# KiCad board GIMIX Mainboard.kicad_pcb (continued)
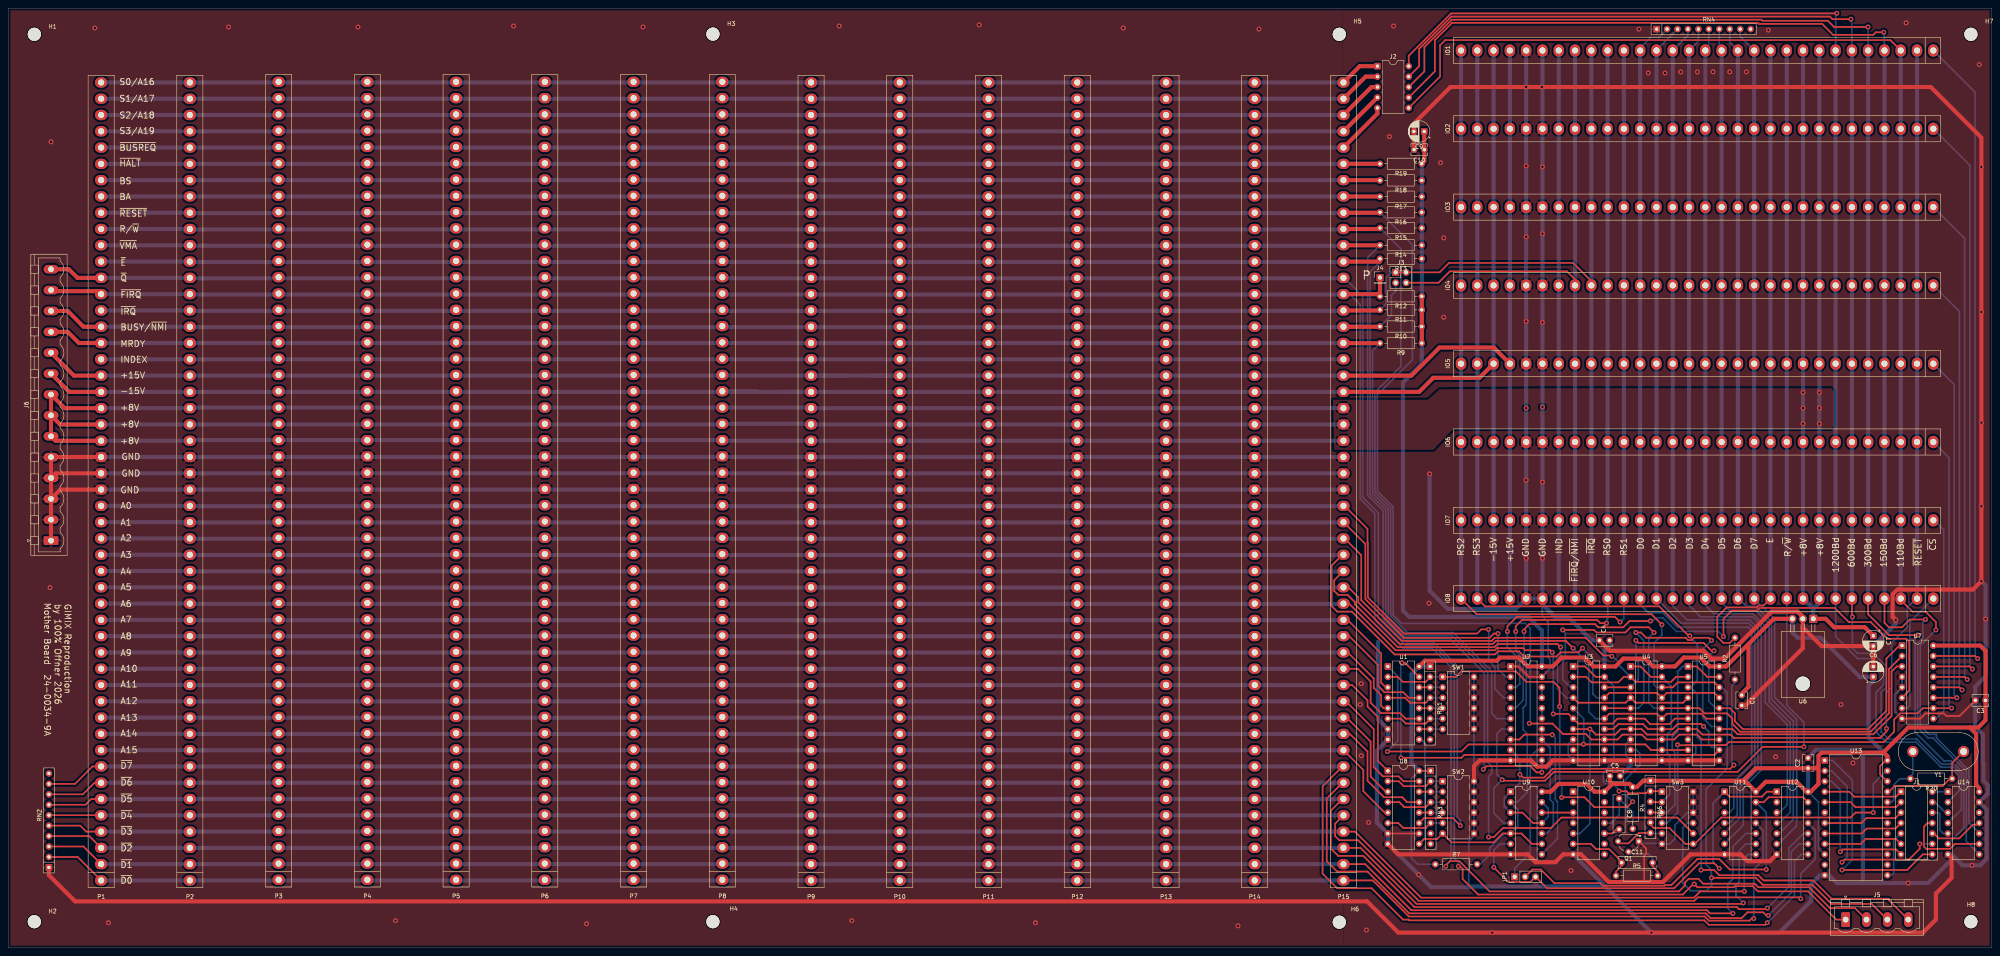
[diagram p0: board, top side]
## Nets (continued)
/IOE: IO1.11 IO2.11 IO3.11 IO4.11 IO5.11 IO6.11 IO7.11 IO8.11 R2.2
/IOR/~{W}: IO1.10 IO2.10 IO3.10 IO4.10 IO5.10 IO6.10 IO7.10 IO8.10 U2.7 U9.4
/IOSEL0: IO1.1 U7.15
/IOSEL1: IO2.1 U7.14
/IOSEL2: IO3.1 U7.13
/IOSEL3: IO4.1 U7.12
/IOSEL4: IO5.1 U7.11
/IOSEL5: IO6.1 SW3.4 U7.10
/IOSEL6: IO7.1 U7.9
/IOSEL7: IO8.1 U7.7
/notIOR/~{W}: JP1.3 U9.6 U11.1 U12.1
/RN6-7: Q1.3 RN6.6 SW3.5
/RS0: IO1.21 IO2.21 IO3.21 IO4.21 IO5.21 IO6.21 IO7.21 IO8.21 U2.5
/RS1: IO1.20 IO2.20 IO3.20 IO4.20 IO5.20 IO6.20 IO7.20 IO8.20 U2.3
/RS2: IO1.30 IO2.30 IO3.30 IO4.30 IO5.30 IO6.30 IO7.30 IO8.30 J5.3 SW3.9 U4.18 U5.18
/RS3: IO1.29 IO2.29 IO3.29 IO4.29 IO5.29 IO6.29 IO7.29 IO8.29 J5.4 U5.3
/RWint: U2.13 U2.14 U9.10
/SW3-1: RN6.2 SW3.1 U3.1 U3.19
/SW3-2: RN6.3 SW3.2 U4.1 U4.19
/SW3-3: RN6.4 SW3.3 U5.1 U5.19
/SW3-4: RN6.5 SW3.7 U13.23
/SW_A5: RN1.2 SW1.1 U1.2 U4.9
/SW_A6: RN1.3 SW1.2 U1.14
/SW_A7: RN1.4 SW1.3 U1.4
/SW_A8: RN1.5 SW1.4 U1.12
/SW_A9: RN1.6 SW1.5 U1.6
/SW_A10: RN1.7 SW1.6 U1.10
/SW_A11: RN3.2 SW2.1 U8.2
/SW_A12: RN3.3 SW2.2 U8.14
/SW_A13: RN3.4 SW2.3 U8.4
/SW_A14: RN3.5 SW2.4 U8.12
/SW_A15: RN3.6 SW2.5 U8.6
/U7_EN2: R7.2 SW2.6 U1.9 U7.6 U8.9 U9.2 U9.5 U9.9
/VMA: P1.40 P2.40 P3.40 P4.40 P5.40 P6.40 P7.40 P8.40 P9.40 P10.40 P11.40 P12.40 P13.40 P14.40 P15.40 R14.2 U8.11
/~{BS}: P1.44 P2.44 P3.44 P4.44 P5.44 P6.44 P7.44 P8.44 P9.44 P10.44 P11.44 P12.44 P13.44 P14.44 P15.44 R18.2
/~{BUSREQ}: J2.5 P1.46 P2.46 P3.46 P4.46 P5.46 P6.46 P7.46 P8.46 P9.46 P10.46 P11.46 P12.46 P13.46 P14.46 P15.46
/~{FIRQ}: J4.1 J5.2 J6.13 P1.37 P2.37 P3.37 P4.37 P5.37 P6.37 P7.37 P8.37 P9.37 P10.37 P11.37 P12.37 P13.37 P14.37 P15.37 R12.2
/~{HALT}: P1.45 P2.45 P3.45 P4.45 P5.45 P6.45 P7.45 P8.45 P9.45 P10.45 P11.45 P12.45 P13.45 P14.45 P15.45 R19.2
/~{IORES}: IO1.2 IO2.2 IO3.2 IO4.2 IO5.2 IO6.2 IO7.2 IO8.2 U3.7 U4.7 U5.7 U10.5
/~{IRQ}: IO1.22 IO2.22 IO3.22 IO4.22 IO5.22 IO6.22 IO7.22 IO8.22 J3.1 J3.2 P1.36 P2.36 P3.36 P4.36 P5.36 P6.36 P7.36 P8.36 P9.36 P10.36 P11.36 P12.36 P13.36 P14.36 P15.36 R11.2
/~{MRDY}: J6.11 P1.34 P2.34 P3.34 P4.34 P5.34 P6.34 P7.34 P8.34 P9.34 P10.34 P11.34 P12.34 P13.34 P14.34 P15.34 R9.2 SW3.8
/~{NMI}: J3.3 J6.12 P1.35 P2.35 P3.35 P4.35 P5.35 P6.35 P7.35 P8.35 P9.35 P10.35 P11.35 P12.35 P13.35 P14.35 P15.35 R10.2
/~{RES}: P1.42 P2.42 P3.42 P4.42 P5.42 P6.42 P7.42 P8.42 P9.42 P10.42 P11.42 P12.42 P13.42 P14.42 P15.42 R16.2 U3.13 U4.13 U5.13
Net-(IO1-Pin_24): IO1.24 IO2.24 IO3.24 IO4.24 IO5.24 IO6.24 IO7.24 IO8.24
Net-(J1-Pin_10): J1.10 U14.11
Net-(J1-Pin_11): J1.11 U14.9
Net-(J1-Pin_12): J1.12 U14.5
Net-(J1-Pin_13): J1.13 U14.3
Net-(J1-Pin_14): J1.14 U14.1
Net-(JP1-A): JP1.1 U2.12
Net-(Q1-B): C11.2 Q1.2 R5.2
Net-(U2-Pad8): U2.8 U9.8
Net-(U2-Pad15): U2.15 U2.16
Net-(U2-Pad17): U2.17 U2.18
Net-(U10-A1): U9.12 U10.3 U10.4
Net-(U10-Cext): C8.2 U10.10
Net-(U10-Q): C11.1 R5.1 U10.6
Net-(U10-R/Cext): C8.1 R4.2 U10.11
Net-(U13-XIN): R20.1 U13.21 Y1.1
Net-(U13-XOUT): R20.2 U13.20 Y1.2

Pads without a net: RN1 8; RN2 10; RN3 7 8; RN4 10; U3 9 12; U10 1 2 8 9 12 13; U11 2 12; U12 2 12; U13 6 11 14 15 16 17 18 19; U14 12

## Via types
v1: diameter 1.2, hole 0.6, Top to Bottom, 156 vias

## Routing (per net, layer and track width the routed paths; a pad name or vN(x,y) marks a point on that pad's centre or on a via; arc(x,y) is an arc through that point)
+5V: length 623.3
  Top w0.4: U13.24 456.82,45.59 455.42,44.2 455.42,42.16 457.07,40.51 U13.22 ; RN3.1 U8.16
  Top w1: R12.1 R9.1 ; 390.27,39.88 U10.14 385.95,37.97 384.05,39.88 377.19,39.88 375.29,37.97 U9.14 ; 390.27,39.88 389.68,40.47 C5.1 ; 390.27,39.88 394.46,39.88 R4.1 396.24,39.12 397.76,40.64 422.15,40.64 ; U13.24 457.2,46.61 456.31,47.5 ; U1.16 344.68,69.85 362.2,69.85 362.97,70.61 367.54,70.61 369.7,68.45 U2.20 375.79,68.45 377.95,70.61 383.54,70.61 385.7,68.45 U3.20 391.03,68.45 392.94,70.36 398.27,70.36 400.18,68.45 U4.20 405.51,68.45 407.67,70.61 411.73,70.61 413.89,68.45 U5.20 417.96,68.45 423.42,73.91 ; U14.14 479.55,38.86 478.79,39.62 478.79,52.07 477.27,53.59 ; U7.16 479.81,73.53 481.08,72.26 C3.1 481.08,55.37 479.3,53.59 477.27,53.59 ; 422.15,40.64 422.53,40.64 U11.14 427.61,40.39 435.1,40.39 437.51,37.97 U12.14 438.53,37.97 440.44,39.88 440.44,44.32 ; 422.15,40.64 425.2,43.69 C2.1 439.8,43.69 440.44,44.32 ; U6.3 429.55,80.04 423.42,73.91 ; 477.27,53.59 462.28,53.59 456.31,47.62 456.31,47.5 ; 456.31,47.5 441.2,47.5 440.44,46.74 440.44,44.32 ; C9.1 344.51,194.22 C10.1 344.55,191.39 R19.1 ; 423.42,73.91 423.42,63.5 421.77,61.85 C1.1
  Bottom w0.4: U8.16 341.38,41.15 341.38,21.84 342.9,20.32 R7.1 ; U12.14 440.44,35.43 440.44,24.13 441.83,22.73 U13.10
  Bottom w1: C4.1 389.64,73.53 388.37,72.26 U3.20 ; R12.1 R19.1 ; U13.24 457.2,46.61 452.63,51.18 452.63,63.75 453.77,64.9 C6.1 450.6,65.91 450.53,65.85 440.94,75.44 435.36,75.44 434.09,76.71 U6.3 ; U8.16 341.38,44.96 341.38,66.55 U1.16 346.07,68.45 ; U2.20 373.13,77.22 369.82,80.52 340.87,80.52 339.34,82.04 339.34,137.54 343.92,142.11 R9.1 ; U12.14 C2.1
+8V: length 1246
  Top w1: P1.28 11.51,123.37 J6.6 J6.8 13.74,131.29 P1.30 ; U6.1 442.18,80.04 444.25,77.98 451.7,77.98 C7.1 ; J6.7 12.62,127.33 P1.29
  Bottom w1: 439.17,82.47 440.64,83.95 IO8.8 v1(440.64,127.51) v1(440.64,131.32) v1(440.64,135.13) 440.64,218.31 ; 439.17,82.47 IO8.9 v1(436.68,127.51) v1(436.68,131.32) v1(436.68,135.13) IO1.9 ; 439.17,82.47 U6.1 ; 23.57,123.37 P2.28 44.35,123.52 P8.28 173.89,123.37 P9.28 P15.28 ; 23.27,131.29 P2.30 44.35,131.44 P8.30 194.89,131.44 195.05,131.29 P9.30 206.76,131.29 ; 23.42,127.33 P2.29 173.58,127.33 P8.29 195.17,127.48 P9.29 P15.29 ; P15.30 207.01,131.29
+15V: length 510
  Top w1: IO5.27 361.42,146.05 348.23,146.05 341.4,139.22 P15.32 ; P1.32 15.98,139.22 J6.10
  Bottom w1: P10.32 209.58,139.22 ; P9.32 203.94,139.22 ; IO1.27 IO8.27 ; 23.6,139.22 P2.32 P15.32
-15V: length 503.5
  Top w1: J6.9 14.86,135.25 22.61,135.25 ; 324.87,135.25 343.28,135.25 346.71,138.68 357.96,138.68 IO5.28
  Bottom w1: 324.87,135.25 23.75,135.25 ; P8.31 182.27,135.41 ; 195.33,135.25 188.21,135.25 ; IO8.28 IO1.28
GND: length 2901.4
  Top w0.4: C3.2 474.77,56.39 471.55,56.39 470.92,57.02 466.47,57.02 465.2,55.75 U7.8 ; Q1.1 398.53,24.13 398.53,22.86 398.02,22.35 398.02,16.51 ; U2.19 369.95,65.91 367.41,68.45 U2.1 ; 335.66,27.81 343.28,27.81
  Top w1: 436.63,77.98 436.63,72.9 422.7,58.97 C1.2 ; 436.63,77.98 441.2,73.41 C7.2 C6.2 ; 436.63,77.98 U6.2 436.63,80.52 435.36,81.79 429.01,81.79 417.58,70.36 414.4,70.36 412.5,72.26 389.68,72.26 C4.2 ; RN2.1 9.91,17.65 16.26,11.3 330.58,11.3 338.2,3.68 v1(361.06,3.68) v1(399.8,3.68) 465.84,3.68 469.01,6.86 469.01,13.21 472.82,17.02 472.82,21.84 U14.7 ; C10.2 342.01,194.22 C9.2 342.01,200.53 350.9,209.42 v1(369.32,209.42) v1(373.13,209.42) 467.74,209.42 480.06,197.1 v1(480.06,189.99) v1(480.06,154.69) v1(480.06,127.76) v1(480.06,107.44) v1(480.06,89.19) 478.03,87.16 459.64,87.16 458.48,86.01 458.48,80.51 v1(459.23,79.76) ; U12.7 428.62,21.08 423.16,21.08 421.51,22.73 U11.7 409.32,22.73 402.59,16 394.21,16 ; J6.4 11.56,115.44 P1.26 ; SW2.12 356.62,44.2 358.01,45.59 370.46,45.59 371.96,44.09 374.29,44.09 375.79,45.59 416.31,45.59 ; 394.21,16 389.38,16 382.65,22.73 U10.7 378.33,22.73 376.43,20.83 371.6,20.83 369.7,22.73 U9.7 338.2,22.73 U8.8 ; 394.21,16 394.97,16 ; J6.1 J6.5 10.44,119.41 P1.27 ; P1.25 12.67,111.48 J6.3
  Bottom w0.4: U3.8 379.55,49.47 379.55,46.79 380.75,45.59 ; IO8.25 373.28,80.62 374.65,79.25 374.65,70.61 375.16,70.1 375.16,67.94 U2.19 ; SW1.12 SW1.7 SW2.7 356.62,27.18 355.35,25.91 355.35,14.48 ; 394.72,45.59 393.52,46.79 393.52,49.47 U4.8 ; U7.8 458.98,57.53 458.98,61.59 U7.5 U7.4 ; U5.8 410.59,48.77 410.59,47.5 408.69,45.59 ; Q1.1 397.26,25.4 402.21,25.4 SW3.6 404.24,25.27 405.51,26.54 405.51,29.84 408.56,32.89 SW3.10 SW3.12
  Bottom w1: v1(345.82,115.32) 345.82,86.87 350.27,82.42 366.78,82.42 IO8.26 ; IO1.26 v1(369.32,190.25) v1(369.32,172.97) v1(369.32,152.4) v1(369.32,131.32) v1(369.32,113.79) v1(369.32,94.74) IO8.26 ; C7.2 459.23,78.87 v1(459.23,79.76) ; 451.23,15.75 451.23,46.86 449.96,48.13 439.84,48.13 C2.2 ; 451.23,15.75 444.88,15.75 442.98,17.65 U13.12 440.82,17.65 438.66,15.49 438.66,11.43 430.78,3.56 399.92,3.56 388.56,14.92 ; 451.23,15.75 v1(462.28,15.75) 467.11,15.75 472.82,21.46 472.82,21.84 U14.7 472.82,22.73 475.49,20.07 479.81,20.07 481.33,21.59 481.33,33.65 U14.13 481.58,37.46 481.58,39.62 480.57,40.64 480.57,44.83 480.44,44.96 480.44,51.94 478.54,53.85 478.58,53.89 C3.2 478.58,63.54 481.08,66.04 v1(481.08,80.01) 481.08,88.18 v1(480.06,89.19) ; 333.25,74.42 333.25,55.63 U1.7 U1.8 332.99,48.01 332.99,30.48 335.66,27.81 U8.8 v1(343.15,17.78) 346.2,14.73 355.35,14.73 355.54,14.92 388.56,14.92 ; IO8.25 373.28,83.54 376.3,80.52 379.48,80.52 385.19,74.8 C4.2 ; IO8.25 v1(373.28,94.74) v1(373.28,113.28) v1(373.28,131.57) v1(373.28,152.15) v1(373.28,173.74) v1(373.28,189.99) IO1.25 ; IO8.25 IO8.26 ; 388.56,14.92 U10.7 ; 23.39,119.41 P2.27 P15.27 ; 23.24,115.44 P2.26 P15.26 ; P15.25 P2.25 23.39,111.48 ; C5.2 394.72,44.32 394.72,45.59
  vias: v1(10.16,87.63) v1(10.41,196.09) v1(21.08,223.77) v1(24.38,6.1) v1(53.59,224.03) v1(85.09,224.03) v1(94.23,6.6) v1(122.94,224.28) v1(140.72,5.84) v1(154.43,224.03) v1(202.18,224.28) v1(205.23,6.6) v1(236.22,224.54) v1(249.94,6.1) v1(271.27,223.77) v1(299.21,5.33) v1(304.29,223.52) v1(328.93,59.18) v1(329.18,64.26) v1(329.18,46.74) v1(330.45,4.32) v1(330.96,30.48) v1(336.04,197.36) v1(337.06,224.28) v1(345.69,83.82) v1(348.49,191.01) v1(349.25,172.72) v1(349.25,153.42) v1(380.24,18.8) v1(396.75,223.52) v1(399.03,212.85) v1(403.1,212.85) v1(406.91,213.11) v1(410.97,213.11) v1(414.78,213.11) v1(418.85,213.11) v1(422.91,213.11) v1(428.24,223.27) v1(430.02,46.48) v1(445.9,59.18) v1(448.82,44.96) v1(461.77,225.04) v1(477.77,20.07) v1(479.55,214.88)
/110B: length 336.6
  Top w0.4: 460.45,218.31 457.91,220.85 349.63,220.85 348.36,219.58 348.36,211.96 J2.6 ; v1(469.01,77.34) 469.01,79.25 466.47,81.79 463.3,81.79 460.45,84.63 IO8.3
  Bottom w0.4: v1(469.01,77.34) 465.2,73.53 465.2,53.97 467.23,51.94 469.14,51.94 469.14,51.05 477.01,43.18 477.01,30.48 479.55,27.94 U14.10
  Bottom w1: 460.45,218.31 IO8.3
/150B: length 348.8
  Top w0.4: v1(456.31,222.76) 454.41,222.76 453.77,222.12 443.99,222.12 441.32,224.79 425.96,224.79 425.7,225.04 351.29,225.04 347.09,220.85 347.09,213.23 J2.7 ; IO8.4 456.49,79.07 457.58,77.98 460.76,77.98 462.66,79.88 v1(466.47,79.88)
  Bottom w0.4: U14.8 476.41,25.87 476.41,42.93 468.28,51.05 467.11,51.05 464.57,53.59 464.57,74.17 465.84,75.44 465.84,79.25 v1(466.47,79.88) ; v1(456.31,222.76) 456.49,222.58 456.49,218.31
  Bottom w1: IO8.4 456.49,218.31
/300B: length 338.4
  Top w0.4: IO8.5 452.53,81.13 457.58,76.07 v1(464.57,76.07) ; J2.8 344.55,213.23 344.55,219.16 351.2,225.81 426.55,225.81 426.81,225.55 442.72,225.55 444.25,224.03 v1(452.5,224.03)
  Bottom w0.4: 452.53,218.31 452.53,224 v1(452.5,224.03) ; v1(464.57,76.07) 463.93,75.44 463.93,52.45 470.92,45.47 472.69,45.47 475.81,42.35 475.81,29.15 U14.6
  Bottom w1: IO8.5 452.53,218.31
/600B: length 333
  Top w0.4: v1(448.31,225.93) 443.87,225.93 443.23,226.57 351.11,226.57 343.28,218.73 343.28,214.5 J2.9 ; v1(448.69,80.52) 448.56,80.64 IO8.6
  Bottom w0.4: v1(448.31,225.93) 448.56,225.68 448.56,218.31 ; U14.4 475.21,33.63 475.21,42.1 472.61,44.7 470.41,44.7 464.31,50.8 457.45,50.8 455.68,52.58 455.68,62.1 456.95,63.37 456.95,68.45 453.77,71.63 449.96,71.63 448.69,72.9 v1(448.69,80.52)
  Bottom w1: 448.56,218.31 IO8.6
/1200B: length 325.9
  Top w0.4: v1(444.88,227.36) 444.85,227.33 351.03,227.33 340.74,217.04 J2.10
  Bottom w0.4: 444.6,218.31 444.6,227.08 v1(444.88,227.36) ; IO8.7 444.6,75.72 449.96,70.36 453.77,70.36 456.31,67.82 456.31,64.01 454.41,62.1 454.41,52.58 456.95,50.04 464.14,50.04 470.23,43.94 472.52,43.94 474.61,41.85 474.61,38.11 U14.2
  Bottom w1: 444.6,218.31 IO8.7
/A2_int: length 118.5
  Top w0.4: U7.1 460.12,73.53 456.95,70.36 456.95,57.66 452.5,53.21 422.02,53.21 420.12,55.12 420.12,57.02 418.85,58.29 U5.16 ; v1(415.04,72.26) 414.4,72.26 412.5,74.17 396.62,74.17 v1(395.99,74.8) ; 388.37,63.37 394.72,63.37
  Bottom w0.4: U5.16 415.42,58.29 413.77,59.94 413.77,70.99 v1(415.04,72.26) ; 394.72,63.37 396.62,65.28 396.62,70.36 395.99,70.99 v1(395.99,74.8)
/A3_int: length 136.3
  Top w0.4: U7.2 457.58,67.82 457.58,57.02 453.14,52.58 421.39,52.58 419.48,54.48 419.48,55.75 418.21,57.02 412.71,57.02 411.44,58.29 U5.5 U4.16 ; v1(400.43,76.71) 399.16,77.98 394.72,77.98 393.45,76.71 386.46,76.71 385.83,77.34 v1(378.21,77.34)
  Bottom w0.4: v1(400.43,76.71) 399.16,75.44 399.16,59.56 400.43,58.29 U4.16 ; 380.75,63.37 380.11,63.37 378.21,65.28 378.21,69.72 378.84,70.36 378.84,76.71 v1(378.21,77.34)
/A4_int: length 130.7
  Top w0.4: v1(395.99,76.71) 397.26,76.71 398.53,75.44 408.12,75.44 408.7,74.86 409.57,74.86 410.14,75.44 413.77,75.44 v1(414.4,74.8) ; U4.5 U3.16 ; U7.3 459.49,68.45 458.22,67.18 458.22,56.39 453.77,51.94 420.75,51.94 419.48,53.21 U5.14
  Bottom w0.4: U5.14 415.67,53.85 414.4,53.85 412.24,56.01 412.24,72.64 v1(414.4,74.8) ; v1(395.99,76.71) 397.89,74.8 397.89,59.56 396.62,58.29 U4.5
/A5_int: length 107
  Top w0.4: U5.9 U4.12 399.67,48.13 398.33,49.47 383.34,49.47 v1(383.29,49.53) 383.23,49.47 355.29,49.47 353.57,47.75 v1(335.53,47.75)
  Bottom w0.4: v1(335.53,47.75) 338.07,50.29 338.07,66.04 U1.1 ; v1(383.29,49.53) 383.29,55.75 U3.5
/A6_int: length 141
  Top w0.4: v1(338.84,46.23) 353.57,46.23 354.27,46.93 415.11,46.93 U5.12 ; U3.14 390.52,53.21 391.73,54.41 397.75,54.41 398.95,53.21 U4.14 404.96,53.21 406.23,54.48 411.86,54.48 v1(412.5,53.85) ; U1.15 339.85,69.34 v1(339.09,69.34)
  Bottom w0.4: v1(412.5,53.85) 413.77,52.58 413.77,49.53 414.53,48.77 415.67,48.77 U5.12 ; v1(338.84,46.23) 338.84,69.09 v1(339.09,69.34)
/BA: length 310.5
  Top w1: R17.2 333.71,182.8 P15.43
  Bottom w1: 23.29,182.8 P2.43 P15.43
/BA0: length 379.6
  Top w0.4: v1(360.17,77.47) 358.39,77.47 357.38,76.45 339.6,76.45 330.8,85.25 330.8,98.47 330.71,98.56 330.71,101.93 325.12,107.52 P15.24
  Bottom w0.4: v1(360.17,77.47) 360.17,69.85 361.7,68.33 361.7,62.99 363.86,60.83 U2.4
  Bottom w1: 44.04,107.44 324.87,107.44 ; P2.24 23.55,107.52
/BA1: length 372.8
  Top w0.4: P15.23 330.2,98.22 330.2,84.84 339.6,75.44 360.43,75.44 361.44,76.45 v1(362.46,76.45)
  Bottom w0.4: v1(362.46,76.45) 362.46,67.82 364.36,65.91 U2.2
  Bottom w1: P2.23 23.42,103.56 ; 42.77,103.15 43.1,103.48 324.71,103.48
/BA2: length 422.7
  Top w0.4: v1(390.14,70.91) 389.94,71.12 388.11,71.12 383.79,75.44 361.7,75.44 360.93,74.68 339.09,74.68 329.18,84.58 329.18,95.53 325.12,99.59 P15.22 ; U3.2 383.92,65.91 385.26,64.57 391.73,64.57 393.06,65.91 U4.2 395.92,64.71 404.56,64.71 405.76,65.91 U5.2
  Bottom w0.4: U4.2 391.92,68.71 391.92,69.34 390.35,70.91 v1(390.14,70.91)
  Bottom w1: 44.04,99.52 324.54,99.52 ; P2.22 23.27,99.59
/BA3: length 428.3
  Top w0.4: v1(383.03,72.9) 382.02,71.88 377.7,71.88 376.68,70.87 368.81,70.87 367.54,72.14 362.46,72.14 361.7,71.37 337.31,71.37 326.9,81.79 323.34,81.79 321.98,83.15 321.98,92.99 324.62,95.63 P15.21 ; U3.17 389.57,62.03 401.14,62.03 U4.17 403.54,62.03 415.11,62.03 U5.17
  Bottom w0.4: v1(383.03,72.9) 385.57,70.36 385.57,61.72 386.46,60.83 U3.17
  Bottom w1: 324.71,95.55 44.04,95.55 ; P2.21 23.37,95.63
/BA4: length 413.9
  Top w0.4: v1(377.7,73.15) 376.94,73.91 362.37,73.91 361.61,73.15 338.07,73.15 327.66,83.57 327.66,84.07 325.88,85.85 323.6,85.85 322.58,86.87 322.58,89.38 P15.20 ; U3.4 381.95,59.63 393.52,59.63 U4.4 395.92,59.63 407.49,59.63 U5.4
  Bottom w0.4: U3.4 379.1,60.83 376.94,62.99 376.94,70.36 377.7,71.12 v1(377.7,73.15)
  Bottom w1: 44.04,91.59 324.71,91.59 ; P2.20 23.52,91.67
/BA5: length 416.3
  Top w0.4: U5.15 413.13,55.75 411.93,56.95 403.54,56.95 U4.15 401.14,56.95 389.57,56.95 U3.15 ; v1(380.75,72.9) 378.97,74.68 361.95,74.68 361.19,73.91 338.58,73.91 328.47,84.03 328.47,85.3 326.06,87.71 P15.19
  Bottom w0.4: v1(380.75,72.9) 384.56,69.09 384.56,57.4 386.21,55.75 U3.15
  Bottom w1: P2.19 23.44,87.71 ; 324.71,87.63 44.04,87.63
/BA6: length 408.1
  Top w0.4: U5.6 405.51,55.75 404.17,54.41 399.49,54.41 398.14,55.75 U4.6 391.55,55.75 390.35,54.55 381.95,54.55 U3.6 379.6,56.9 v1(375.92,56.9) ; P15.18 326.21,83.74 337.57,72.39 361.7,72.39 362.2,72.9 368.55,72.9 369.06,72.39 375.16,72.39 v1(375.67,71.88)
  Bottom w0.4: v1(375.92,56.9) 375.92,71.63 v1(375.67,71.88)
  Bottom w1: P2.18 23.29,83.74 ; 44.04,83.67 324.71,83.67
/BA7: length 323.3
  Top w0.4: P15.17 325.86,79.78 334.01,71.63 334.01,64.52 335.15,63.37 335.66,63.37
  Bottom w1: P2.17 23.34,79.78 ; 324.71,79.71 44.04,79.71
/BA8: length 329.1
  Top w0.4: P15.16 326.26,75.82 333.25,68.83 333.25,63.75 334.83,62.17 339.4,62.17 340.74,60.83 U1.13
  Bottom w1: 44.2,75.79 325.02,75.79 ; P2.16 23.5,75.82
/BA9: length 322
  Top w0.4: U1.5 334.64,58.29 334.01,58.93 334.01,61.47 332.23,63.25 332.23,65.53 325.91,71.86 P15.15
  Bottom w1: P2.15 23.47,71.86 ; 324.87,71.83 43.26,71.83 42.93,71.5
/BA10: length 327.8
  Top w0.4: P15.14 328.35,67.89 331.47,64.77 331.47,59.63 334.01,57.09 338.64,57.09 339.98,55.75 U1.11
  Bottom w1: 44.2,67.87 324.69,67.87 ; P2.14 23.32,67.89
/BA11: length 328.1
  Top w0.4: U8.1 333.25,45.47 333.25,56.13 330.71,58.67 330.71,60.2 326.97,63.93 P15.13
  Bottom w1: 324.87,63.91 44.2,63.91 ; P2.13 23.32,63.93
/BA12: length 333.3
  Top w0.4: P15.12 325.48,59.97 332.23,53.21 332.23,43.94 334.46,41.71 338.27,41.71 339.47,40.51 U8.15
  Bottom w1: 44.2,59.94 324.87,59.94 ; P2.12 23.47,59.97
/BA13: length 324.6
  Top w0.4: 335.66,37.97 335.15,37.97 331.47,41.66 331.47,50.16 325.63,56.01 P15.11
  Bottom w1: P2.11 23.5,56.01 ; 324.87,55.98 44.2,55.98
/BA14: length 331
  Top w0.4: P15.10 326.42,52.04 330.71,47.75 330.71,40.64 334.72,36.63 339.16,36.63 340.36,35.43 U8.13
  Bottom w1: P2.10 23.34,52.04 ; 44.2,52.02 324.87,52.02
/BA15: length 321.7
  Top w0.4: P15.9 329.69,43.26 329.69,38.1 334.9,32.89 U8.5
  Bottom w1: P2.9 23.29,48.08 ; 324.87,48.06 44.2,48.06
/BA16: length 311.8
  Top w1: P15.50 328.83,214.5 J2.1
  Bottom w1: 23.14,210.54 P2.50 325.02,210.54
/BA17: length 313.2
  Top w1: P15.49 330.25,211.96 J2.2
  Bottom w1: P15.49 43.26,206.58 42.93,206.25 ; P2.49 23.55,206.58
/BA18: length 312.3
  Top w1: J2.3 331.67,209.42 P15.48
  Bottom w1: 324.69,202.62 P2.48 23.42,202.62
/BA19: length 313.3
  Top w1: J2.4 324.89,198.65 P15.47
  Bottom w1: P15.47 P2.47 23.27,198.65
/BD0: length 445.7
  Top w0.4: P1.1 16.89,22.1 RN2.2 ; P15.1 332.02,16.38 340.78,7.62 412.75,7.62 413.77,6.6 423.67,6.6 424.18,7.11 v1(424.69,7.11)
  Bottom w0.4: U11.11 426.97,28.57 426.97,21.34 424.69,19.05 v1(424.69,7.11)
  Bottom w1: 23.24,16.38 P2.1 P15.1
/BD1: length 439.9
  Top w0.4: v1(419.61,8.38) 414.02,8.38 413.26,9.14 341.38,9.14 330.17,20.35 P15.2 ; RN2.3 18.31,24.64 P1.2
  Bottom w0.4: U11.10 422.78,27.81 419.61,24.64 419.61,16.76 418.34,15.49 418.34,9.65 v1(419.61,8.38)
  Bottom w1: 23.39,20.35 P2.2 P15.2
/BD2: length 436.7
  Top w0.4: P1.3 19.74,27.18 RN2.4 ; P15.3 329.01,24.31 342.65,10.67 421.89,10.67 v1(422.15,10.92)
  Bottom w0.4: U11.9 422.78,25.27 421.13,23.62 421.13,16 420.37,15.24 420.37,12.7 v1(422.15,10.92)
  Bottom w1: P15.3 P2.3 23.57,24.31
/BD3: length 430.9
  Top w0.4: P15.4 327.67,28.27 343.75,12.19 410.13,12.19 411.65,13.72 v1(422.4,13.72) ; RN2.5 17.53,29.72 18.97,28.27 P1.4
  Bottom w0.4: v1(422.4,13.72) 422.4,21.84 423.29,22.73 U11.8
  Bottom w1: P15.4 P2.4 23.42,28.27
/BD4: length 461.1
  Top w0.4: v1(436.12,11.94) 435.79,12.26 411.04,12.26 410.21,11.43 343.15,11.43 328.42,26.16 323.85,26.16 322.83,27.18 322.83,30.2 P15.5 ; P1.5 22.58,32.26 RN2.6
  Bottom w0.4: v1(436.12,11.94) 436.12,18.03 439.67,21.59 439.67,28.57 U12.11
  Bottom w1: 23.27,32.23 P2.5 P15.5
/BD5: length 463.4
  Top w0.4: RN2.7 18.8,34.8 20.19,36.19 22.61,36.19 ; v1(427.99,9.65) 427.74,9.4 421.07,9.4 420.56,9.91 342.14,9.91 329.69,22.35 323.6,22.35 321.82,24.13 321.82,33.4 324.62,36.19 324.87,36.19
  Bottom w0.4: U12.10 436.76,27.81 433.23,24.28 433.23,14.89 v1(427.99,9.65)
  Bottom w1: 23.37,36.19 324.69,36.19
/BD6: length 474.3
  Top w0.4: RN2.8 18.16,37.34 20.98,40.16 P1.7 ; P15.7 324.62,40.16 320.8,36.34 320.8,21.08 323.34,18.54 330.71,18.54 340.87,8.38 413,8.38 414.18,7.2 421.73,7.2 423.16,8.64 426.97,8.64 427.74,7.87 v1(428.24,7.87)
  Bottom w0.4: v1(428.24,7.87) 433.83,13.46 433.83,23.37 435.74,25.27 U12.9
  Bottom w1: P2.7 23.52,40.16 ; 42.93,39.83 43.26,40.16 P15.7
/BD7: length 479.6
  Top w0.4: RN2.9 16.26,39.88 20.5,44.12 P1.8 ; P15.8 324.62,44.12 319.79,39.29 319.79,18.03 323.34,14.48 331.72,14.48 339.34,6.86 340.69,6.86 340.88,6.67 412.68,6.67 413.77,5.59 427.48,5.59 v1(427.99,6.1)
  Bottom w0.4: v1(427.99,6.1) 434.59,12.7 434.59,21.08 436.25,22.73 U12.8
  Bottom w1: 23.44,44.12 P2.8 325.02,44.12
/BE: length 472.2
  Top w0.4: v1(373.13,42.67) 371.86,42.67 370.33,44.2 359.66,44.2 v1(358.9,43.43)
  Top w1: P15.39 333.68,166.95 333.76,167.03 R13.2
  Bottom w0.4: v1(358.9,43.43) 359.16,43.69 359.16,66.8 350.77,75.18 340.2,75.18 335.14,80.24 335.14,106.57 331.33,110.38 331.33,164.45 333.76,166.88 R13.2 ; 373.13,45.59 v1(373.13,42.67)
  Bottom w1: 324.87,166.85 44.2,166.85 ; P2.39 23.32,166.95
/BQ: length 576.8
  Top w0.4: J5.1 444.75,6.86 437.9,13.72 425.7,13.72 424.43,14.99 420.12,14.99 419.86,14.73 410.97,14.73 v1(410.21,15.49) 409.96,15.49 407.42,12.95 357.63,12.95 353.86,16.73 353.86,19.2 353.24,19.81 v1(352.81,19.81)
  Top w1: J6.14 14.73,165.1 16.84,162.99 P1.38
  Bottom w0.4: v1(352.81,19.81) 352.81,20.83 351.79,21.84 351.79,68.49 346.62,73.66 339.85,73.66 333.34,80.17 333.34,105.82 329.53,109.63 329.53,158.58 325.12,162.99 P15.38
  Bottom w1: P2.38 23.32,162.99 ; 44.2,162.89 324.87,162.89
/BR/~{W}: length 458
  Top w1: 324.87,174.88 333.5,174.88 R15.2
  Bottom w0.4: R15.2 338.84,170.05 338.84,141.48 332.53,135.17 332.53,110.87 336.34,107.06 336.34,80.74 340.37,76.71 351.53,76.71 360.93,67.31 360.93,57.02 362.2,55.75 U2.6
  Bottom w1: 44.2,174.88 23.5,174.88 ; 324.87,174.78 43.26,174.78 42.93,174.45
/Connectors/INDEX: length 301.4
  Bottom w1: 23.44,143.18 P2.33 P15.33
/Connectors/~{IOFIRQ}: length 177.9
  Top w0.4: J3.4 347.98,161.8 350.77,164.59 379.22,164.59 381.2,162.61 IO4.23
  Bottom w1: IO1.23 IO8.23
/DATA_EN: length 95.9
  Top w0.4: U12.13 436.7,36.63 428.3,36.63 427.1,35.43 U11.13 ; JP1.2 370.84,19.05 372.87,19.05 376.17,15.75 387.35,15.75 387.99,15.1 402.96,15.1 403.1,15.24 404.62,15.24 410.97,21.59 416.31,21.59 418.85,19.05 v1(427.74,19.05)
  Bottom w0.4: v1(427.74,19.05) 427.74,32.89 U11.13
/Eint: length 108.5
  Top w0.4: v1(419.86,44.45) 418.97,43.56 392.94,43.56 392.92,43.58 391.43,43.58 391.41,43.56 390.44,43.56 390.42,43.58 388.93,43.58 388.91,43.56 375.79,43.56 373.63,41.4 368.55,41.4 v1(367.79,42.16) ; U9.11 370.97,30.35 368.43,32.89 U9.3
  Bottom w0.4: R2.1 420.12,64.52 419.35,63.75 419.35,44.96 v1(419.86,44.45) ; U9.13 374.65,33.91 374.65,31.88 U9.11 ; U9.3 363.98,34.42 363.98,36.45 U9.1 365.63,37.97 367.79,40.13 v1(367.79,42.16) 367.79,45.85 U2.9
/F1: length 55.2
  Top w0.4: v1(446.15,18.92) 462.03,18.92 465.84,22.73 J1.8
  Bottom w0.4: U13.1 443.87,45.59 448.69,40.77 448.69,21.46 v1(446.15,18.92)
/F2: length 50.5
  Top w0.4: v1(446.15,20.83) 446.79,21.46 462.45,21.46 465.07,24.08 v1(465.07,25.27)
  Bottom w0.4: v1(446.15,20.83) 447.42,22.1 447.42,39.24 443.61,43.05 U13.2 ; J1.9 v1(465.07,25.27)
/F5: length 35.2
  Top w0.4: J1.7 459.3,23.93 446.3,23.93 v1(445.74,23.37)
  Bottom w0.4: U13.3 443.61,40.51 445.74,38.39 v1(445.74,23.37)
/F7: length 19.5
  Top w0.4: J1.1 459.3,36.77 449.13,36.77 447.93,37.97 U13.4
/F8: length 19.5
  Top w0.4: U13.5 448.25,35.43 449.45,34.23 459.3,34.23 J1.2
/F9: length 19.6
  Top w0.4: J1.3 459.16,31.55 452.09,31.55 450.89,30.35 U13.7
/F11: length 19.6
  Top w0.4: U13.8 450.98,27.81 452.18,29.01 459.16,29.01 J1.4
/F13: length 12.2
  Bottom w0.4: U13.13 458.22,17.65 458.72,18.16 458.72,26.16 460.38,27.81 J1.5
/F14: length 19.5
  Top w0.4: J1.6 459.3,26.47 451.92,26.47 450.72,25.27 U13.9
/IOD0: length 221.4
  Bottom w0.4: RN4.2 401.57,221.49 399.54,221.49 397.05,219 IO1.19 ; IO8.19 397.05,83.52 399.03,81.53 402.59,81.53 406.15,77.98 423.42,77.98 424.18,77.22 424.18,44.7 419.86,40.39 419.86,34.04 418.72,32.89 U11.3
  Bottom w1: IO1.19 IO8.19
/IOD1: length 218.6
  Bottom w0.4: IO8.18 406.98,78.99 423.42,78.99 424.94,77.47 424.94,43.94 420.62,39.62 420.62,32.26 418.72,30.35 U11.4 ; RN4.3 401.02,218.39 IO1.18
  Bottom w1: IO8.18 IO1.18
/IOD2: length 218.1
  Bottom w0.4: RN4.4 408.69,222.02 IO1.17 ; U11.5 421.39,31.62 421.39,39.12 425.7,43.43 425.7,77.72 423.67,79.76 408.43,79.76 404.98,83.21 IO8.17
  Bottom w1: IO1.17 IO8.17
/IOD3: length 217.5
  Bottom w0.4: IO1.16 411.23,220.6 RN4.5 ; U11.6 422.15,29.84 422.15,38.86 426.47,43.18 426.47,78.4 424.35,80.52 411.73,80.52 408.94,83.31 IO8.16
  Bottom w1: IO8.16 IO1.16
/IOD4: length 206.2
  Bottom w0.4: IO1.15 413.77,219.18 RN4.6 ; IO8.15 412.9,83.41 415.04,81.28 424.43,81.28 427.48,78.23 427.48,59.69 432.82,54.36 432.82,34.8 430.91,32.89 U12.3
  Bottom w1: IO1.15 IO8.15
/IOD5: length 205.8
  Bottom w0.4: RN4.7 416.31,218.87 IO1.14 ; U12.4 430.91,30.35 433.58,33.02 433.58,54.69 428.41,59.86 428.41,78.83 425.2,82.04 418.85,82.04 416.86,84.02 IO8.14
  Bottom w1: IO8.14 IO1.14
/IOD6: length 205.9
  Bottom w0.4: RN4.8 418.85,220.29 IO1.13 ; IO8.13 421.06,84.96 422.96,83.06 425.2,83.06 429.01,79.25 429.01,60.45 434.34,55.12 434.34,31.24 430.91,27.81 U12.5
  Bottom w1: IO1.13 IO8.13 420.6,84.96
/IOD7: length 206.2
  Bottom w0.4: U12.6 430.72,25.27 435.1,29.65 435.1,55.63 429.77,60.96 429.77,79.98 IO8.12 ; IO1.12 421.39,221.72 RN4.9
  Bottom w1: IO8.12 IO1.12
/IOE: length 158.4
  Top w0.4: R2.2 418.85,74.17 417.32,74.17 415.8,75.69 415.8,80.52 418.08,82.8 425.36,82.8 425.84,83.29 427.08,83.29 IO8.11
  Bottom w1: IO1.11 IO8.11
/IOR/~{W}: length 277.9
  Top w0.4: v1(436.88,48.89) 426.85,48.89 420.75,42.8 392.86,42.8 392.67,42.98 391.68,42.98 391.49,42.8 390.36,42.8 390.17,42.98 389.18,42.98 388.99,42.8 376.05,42.8 373.89,40.64 363.73,40.64 v1(363.47,40.89)
  Bottom w0.4: IO8.10 432.71,59.03 436.88,54.86 v1(436.88,48.89) ; U9.4 363.86,30.35 361.44,32.77 361.44,38.86 v1(363.47,40.89) 362.2,42.16 362.2,52.07 363.35,53.21 U2.7
  Bottom w1: IO8.10 IO1.10
/IOSEL0: length 163.5
  Top w0.4: U7.15 478.54,70.99 v1(479.17,70.36)
  Bottom w0.4: 468.38,218.31 478.54,208.15 478.54,70.99 v1(479.17,70.36)
/IOSEL1: length 145.2
  Top w0.4: U7.14 477.27,68.45 v1(477.9,67.82)
  Bottom w0.4: IO2.1 477.27,190.37 477.27,68.45 v1(477.9,67.82)
/IOSEL2: length 126.9
  Top w0.4: U7.13 476,65.91 v1(476.63,65.28)
  Bottom w0.4: v1(476.63,65.28) 476,65.91 476,172.59 IO3.1
/IOSEL3: length 108.6
  Top w0.4: v1(475.36,62.74) 474.73,63.37 U7.12
  Bottom w0.4: v1(475.36,62.74) 474.73,63.37 474.73,154.81 IO4.1
/IOSEL4: length 89.4
  Top w0.4: v1(474.09,60.83) U7.11
  Bottom w0.4: v1(474.09,60.83) 473.46,61.47 473.46,137.03 IO5.1
/IOSEL5: length 160.2
  Top w0.4: v1(406.15,49.4) 406.27,49.28 408.13,49.28 408.19,49.33 409.18,49.33 409.24,49.28 415.75,49.28 415.81,49.33 417.96,49.33 418.66,50.04 456.31,50.04 458.85,52.58 458.85,55.55 460.33,57.02 464.57,57.02 465.84,58.29 U7.10 v1(472.82,58.29)
  Bottom w0.4: v1(472.82,58.29) 472.19,58.93 472.19,119.25 IO6.1 ; v1(406.15,49.4) 406.15,32.89 403.61,30.35 SW3.4
/IOSEL6: length 50.9
  Bottom w0.4: IO7.1 468.61,104.01 470.92,101.7 470.92,57.66 469.01,55.75 U7.9
/IOSEL7: length 30.6
  Bottom w0.4: U7.7 462.03,58.29 462.66,58.93 462.66,79.25 IO8.1
/notIOR/~{W}: length 104.1
  Top w0.4: v1(416.31,19.3) 415.04,20.57 411.39,20.57 405.3,14.48 374.4,14.48 JP1.3 370.35,16.02 364.98,16.02 v1(361.44,19.56) ; U11.1 418.78,36.77 426.66,36.77 427.86,37.97 U12.1
  Bottom w0.4: U11.1 414.78,35.18 414.78,20.83 v1(416.31,19.3) ; v1(361.44,19.56) 361.44,23.75 362.97,25.27 U9.6
/RN6-7: length 12
  Top w0.4: RN6.6 396.75,27.94 394.21,25.4 392.18,25.4 Q1.3
  Bottom w0.4: RN6.6 399.67,27.81 SW3.5
/RS0: length 185.1
  Top w0.4: v1(388.87,78.99) 387.35,78.99 386.59,79.76 368.3,79.76 366.78,78.23 v1(366.78,76.96)
  Bottom w0.4: v1(366.78,76.96) 366.78,72.14 368.55,70.36 368.55,60.2 366.65,58.29 U2.5 ; v1(388.87,78.99) 388.87,79.76 389.13,80.01 IO8.21
  Bottom w1: IO1.21 IO8.21
/RS1: length 186.2
  Top w0.4: v1(364.74,76.96) 364.74,78.23 367.03,80.52 390.91,80.52 v1(392.18,79.25)
  Bottom w0.4: v1(364.74,76.96) 364.74,73.15 367.79,70.1 367.79,64.26 366.9,63.37 365.51,63.37 ; IO8.20 393.09,80.16 v1(392.18,79.25)
  Bottom w1: IO8.20 IO1.20
/RS2: length 341.2
  Top w0.4: v1(414.4,17.02) 425.2,17.02 426.88,15.33 438.95,15.33 443.61,10.67 453.39,10.67 J5.3 ; 416.31,63.37 415.11,64.57 406.2,64.57 405,63.37 402.34,63.37 ; v1(402.34,78.61) 399.8,81.15 357.28,81.15 IO8.30
  Bottom w0.4: SW3.9 408.56,30.35 407.42,29.21 407.42,15.75 409.32,13.84 413.13,13.84 414.4,15.11 v1(414.4,17.02) 414.4,18.92 413.13,20.19 413.13,38.61 418.21,43.69 418.21,62.1 416.94,63.37 416.31,63.37 ; v1(402.34,78.61) 402.34,76.07 400.43,74.17 400.43,64.01 401.07,63.37 402.34,63.37
  Bottom w1: IO1.30 IO8.30
